# Altium PCB LimeSDR-QPCIe_1v2.PcbDoc (part 1 of 21) (continued)
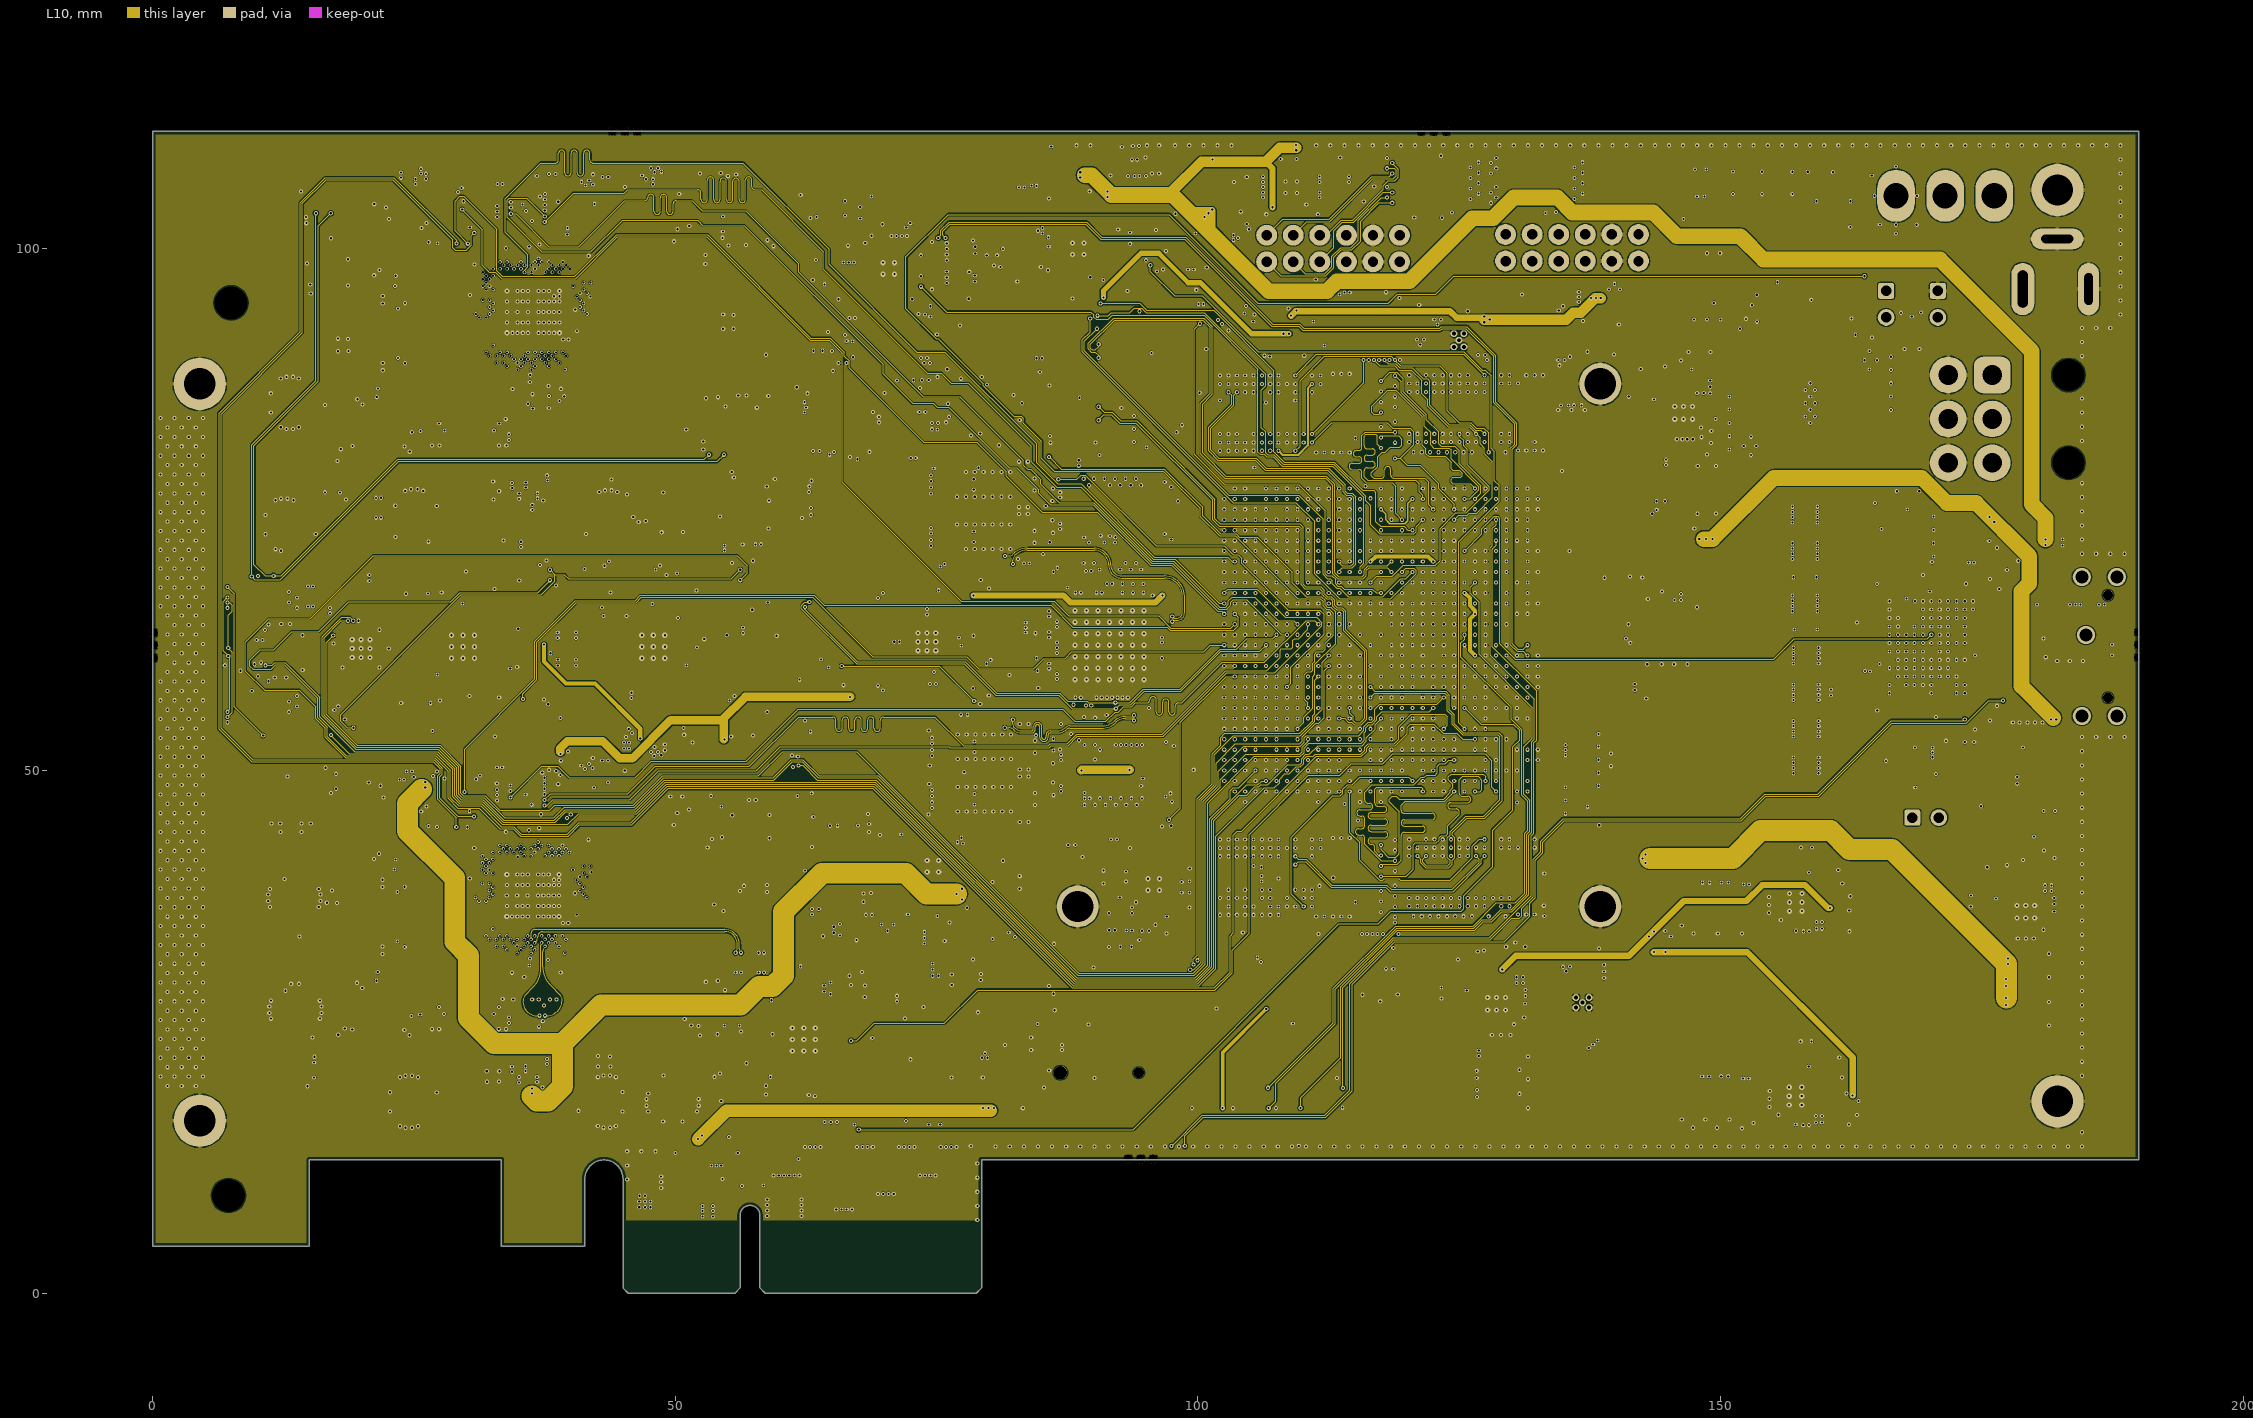
[diagram p10: L10]
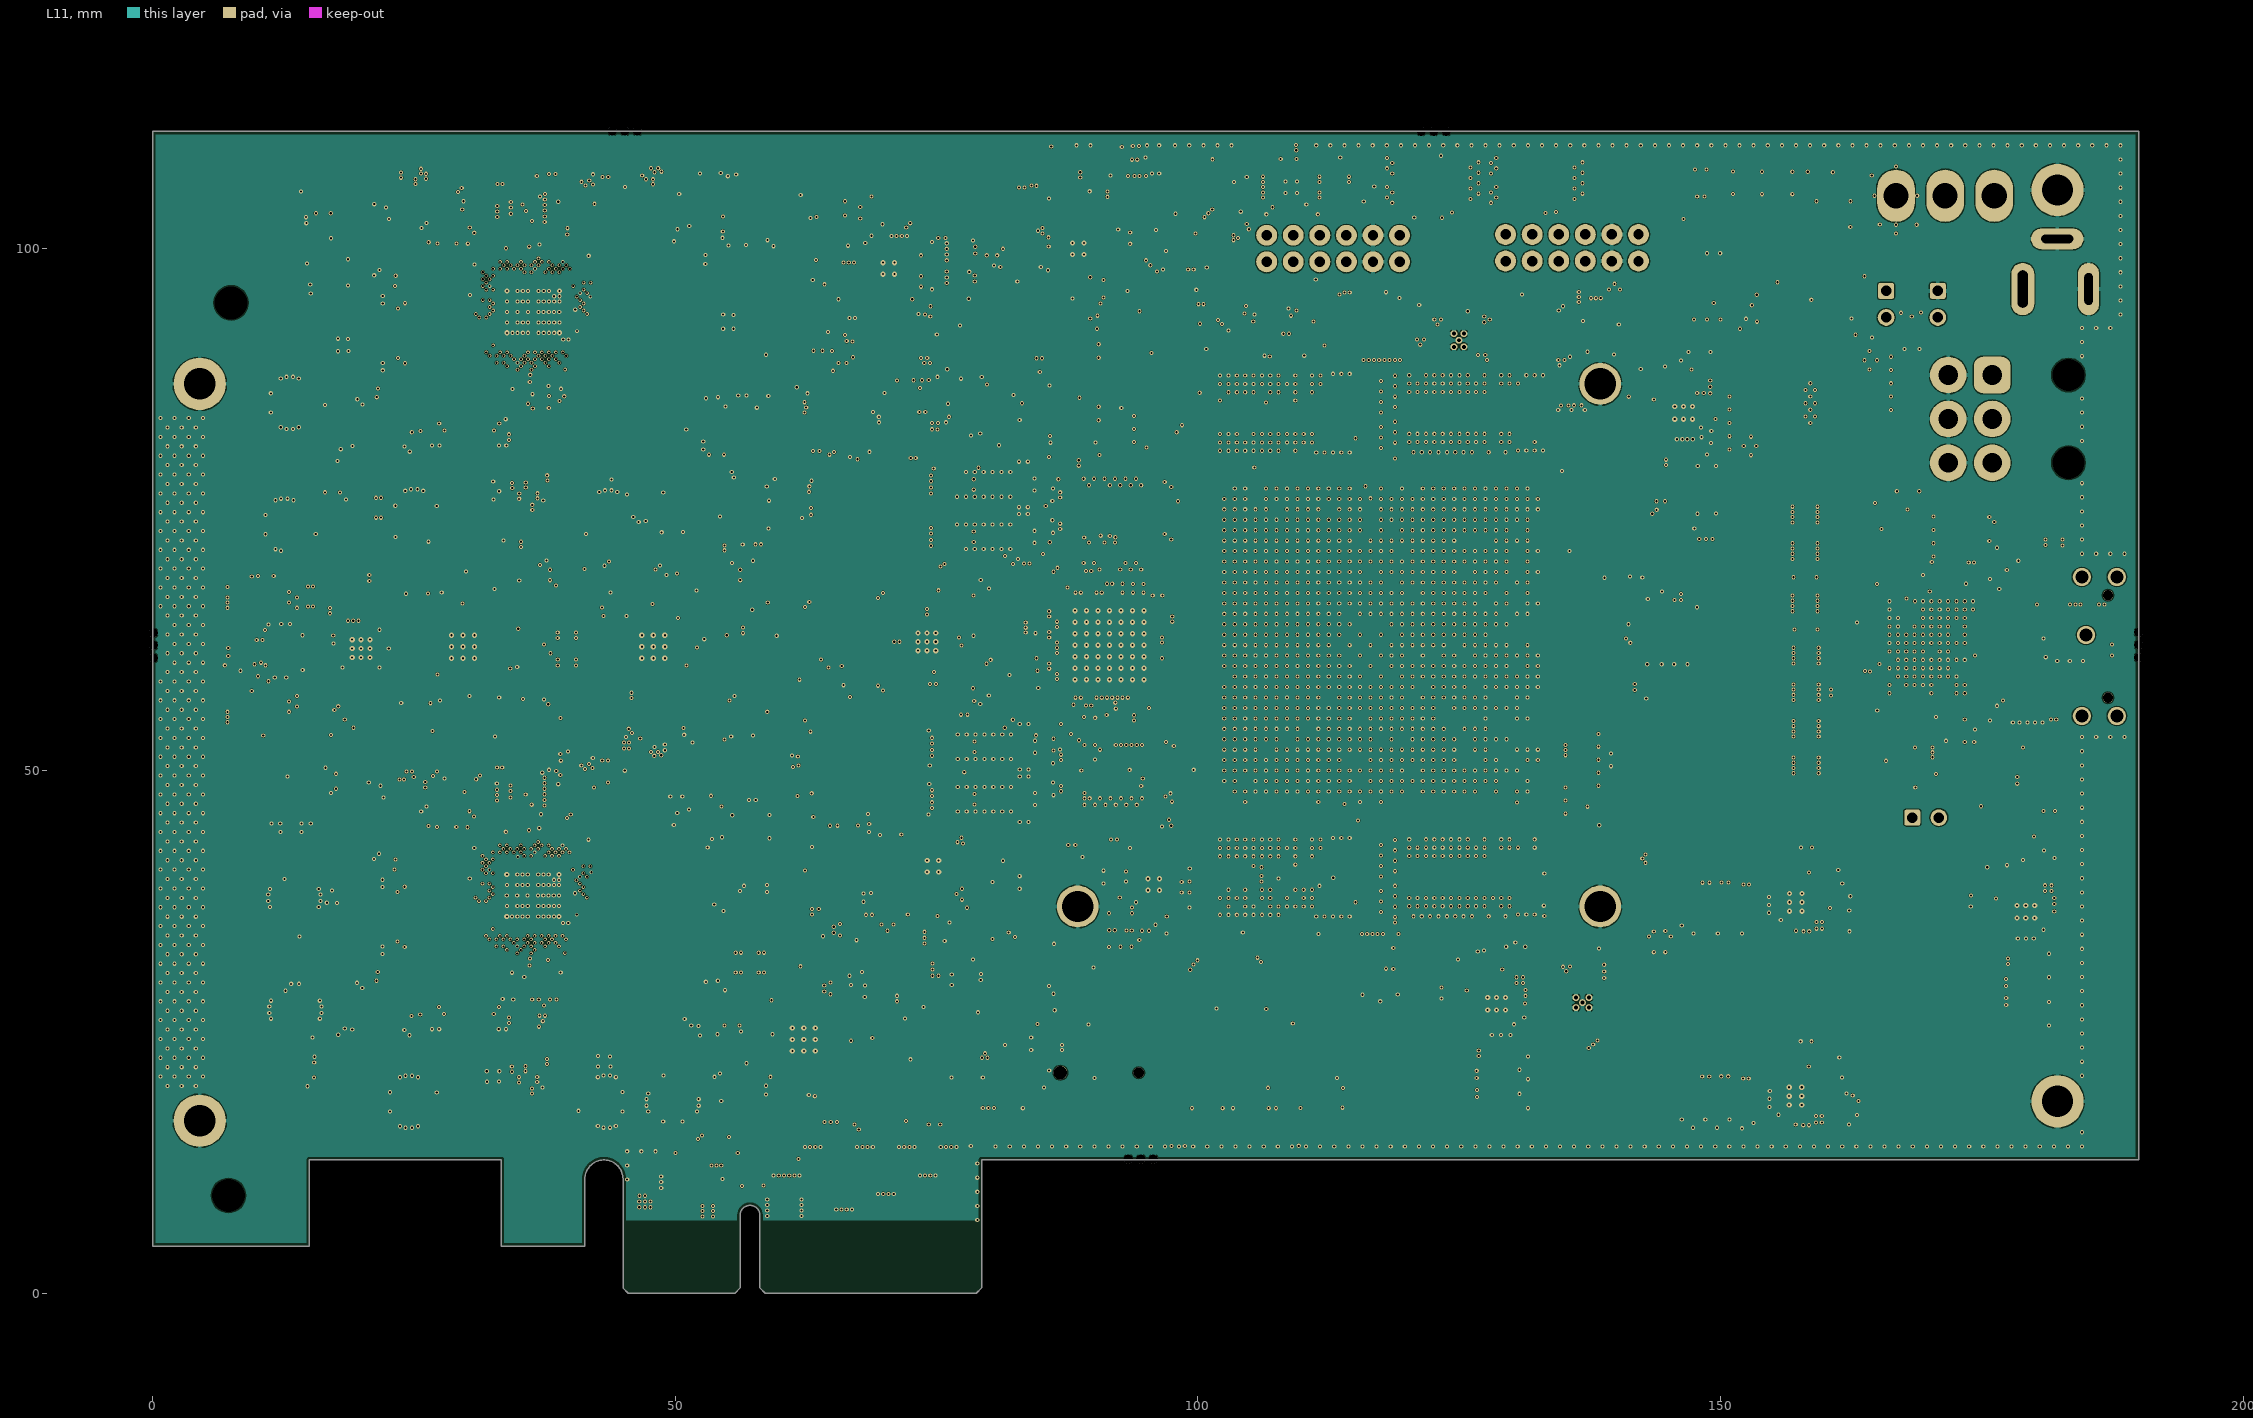
[diagram p11: L11]
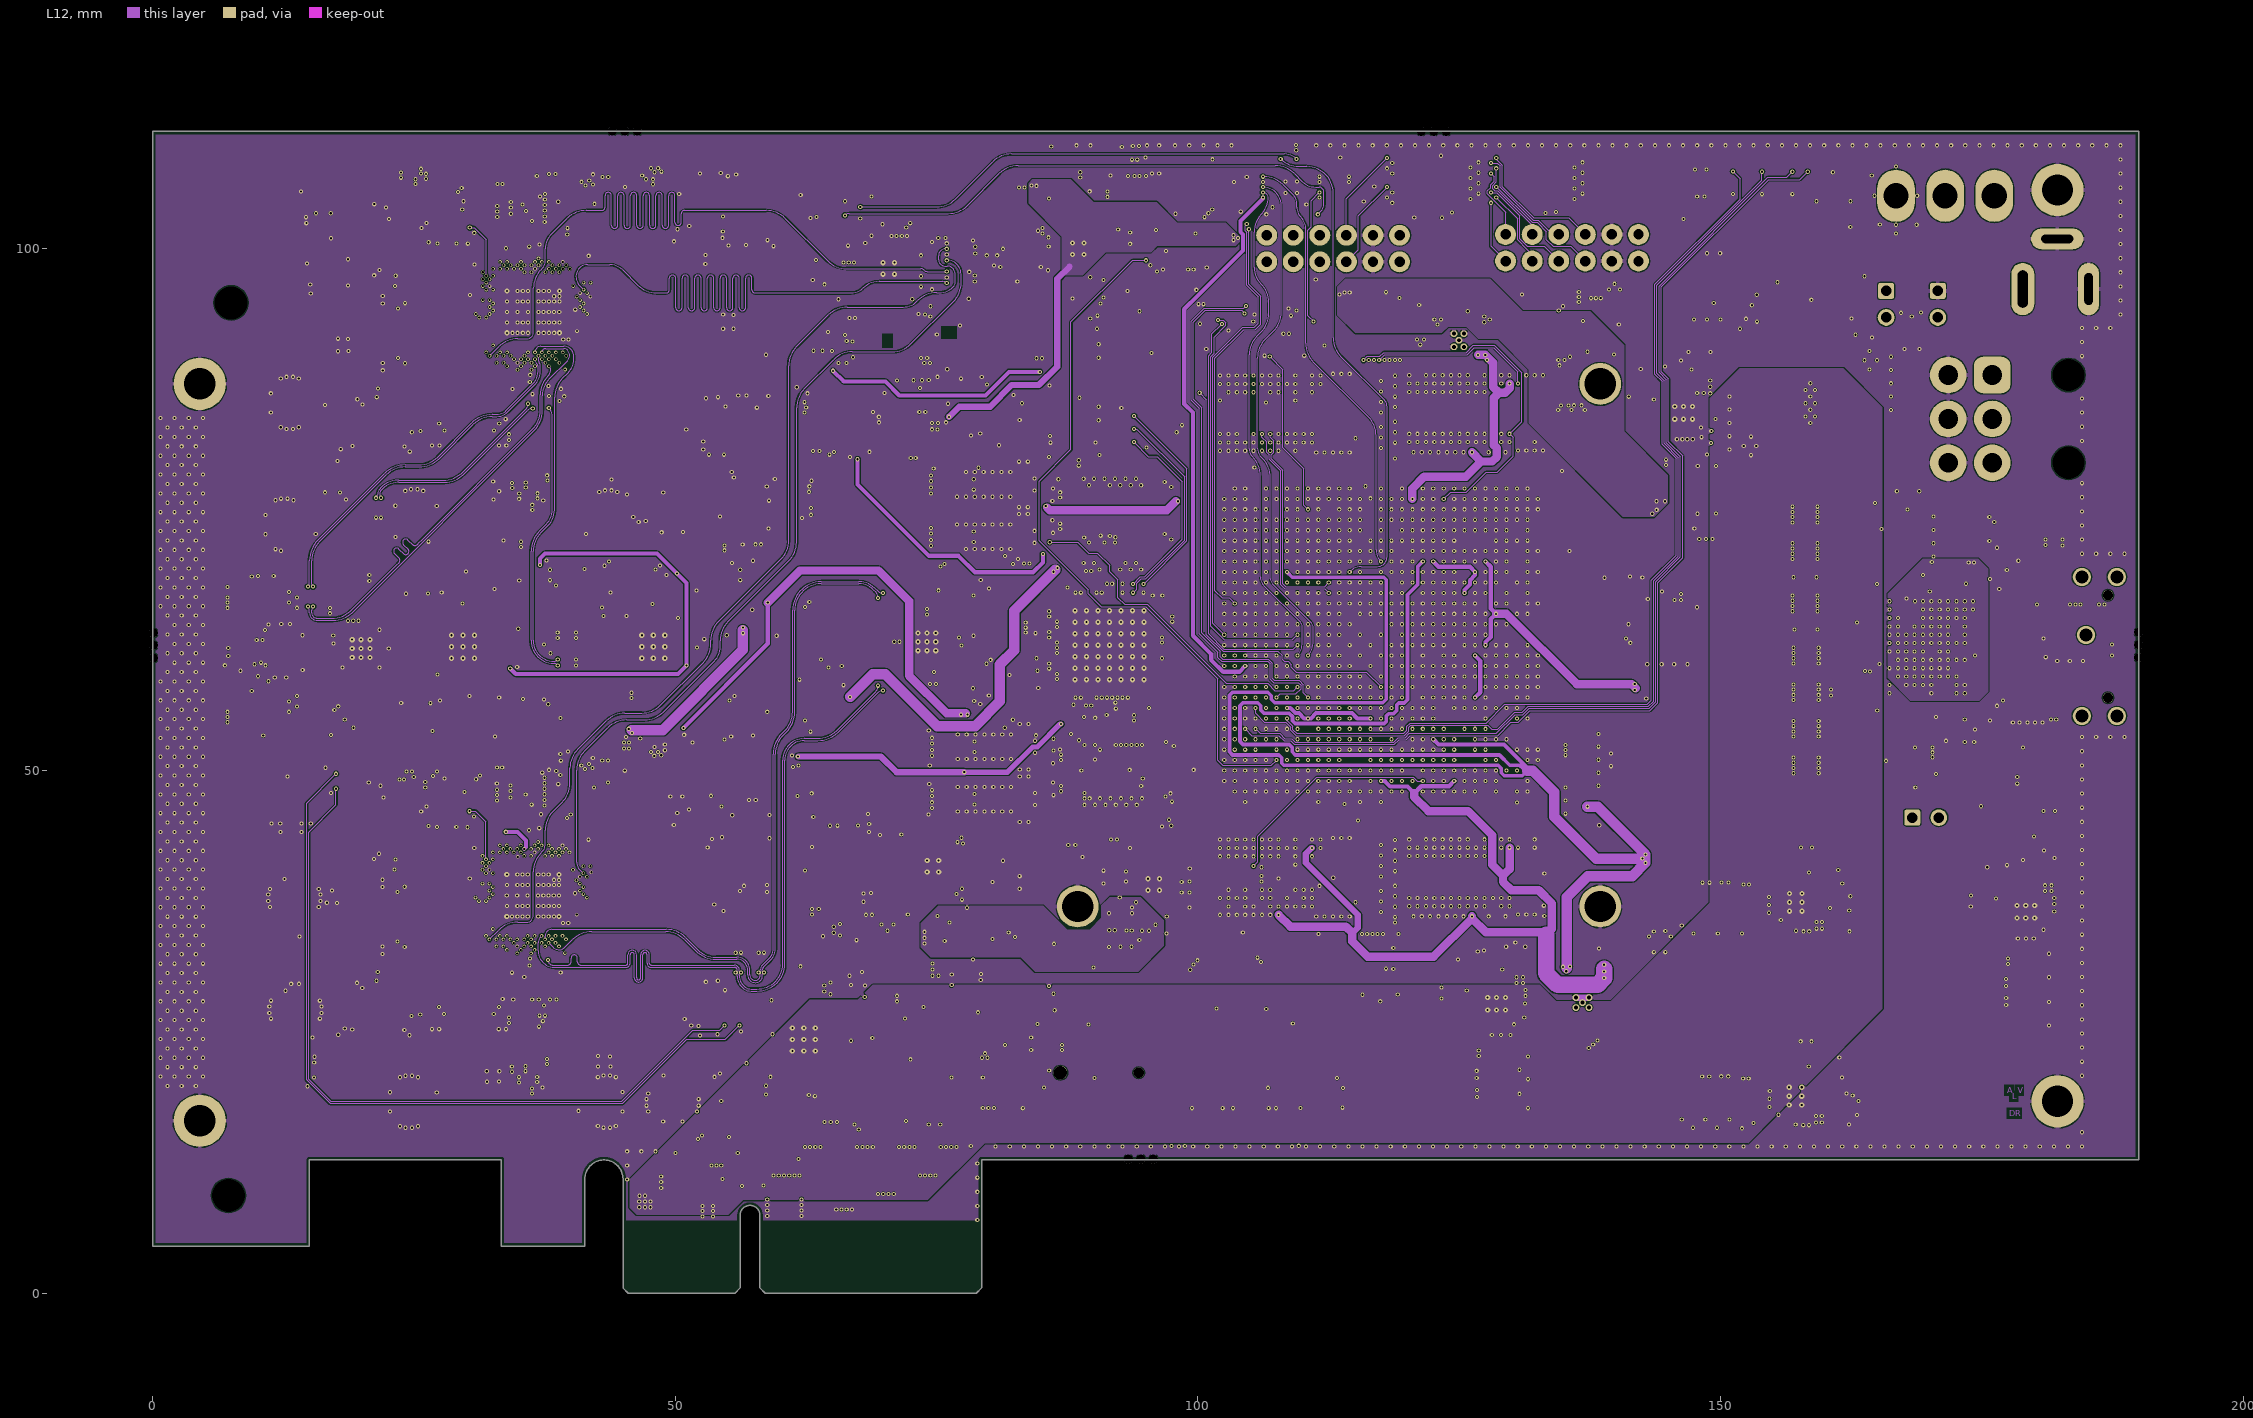
[diagram p12: L12]
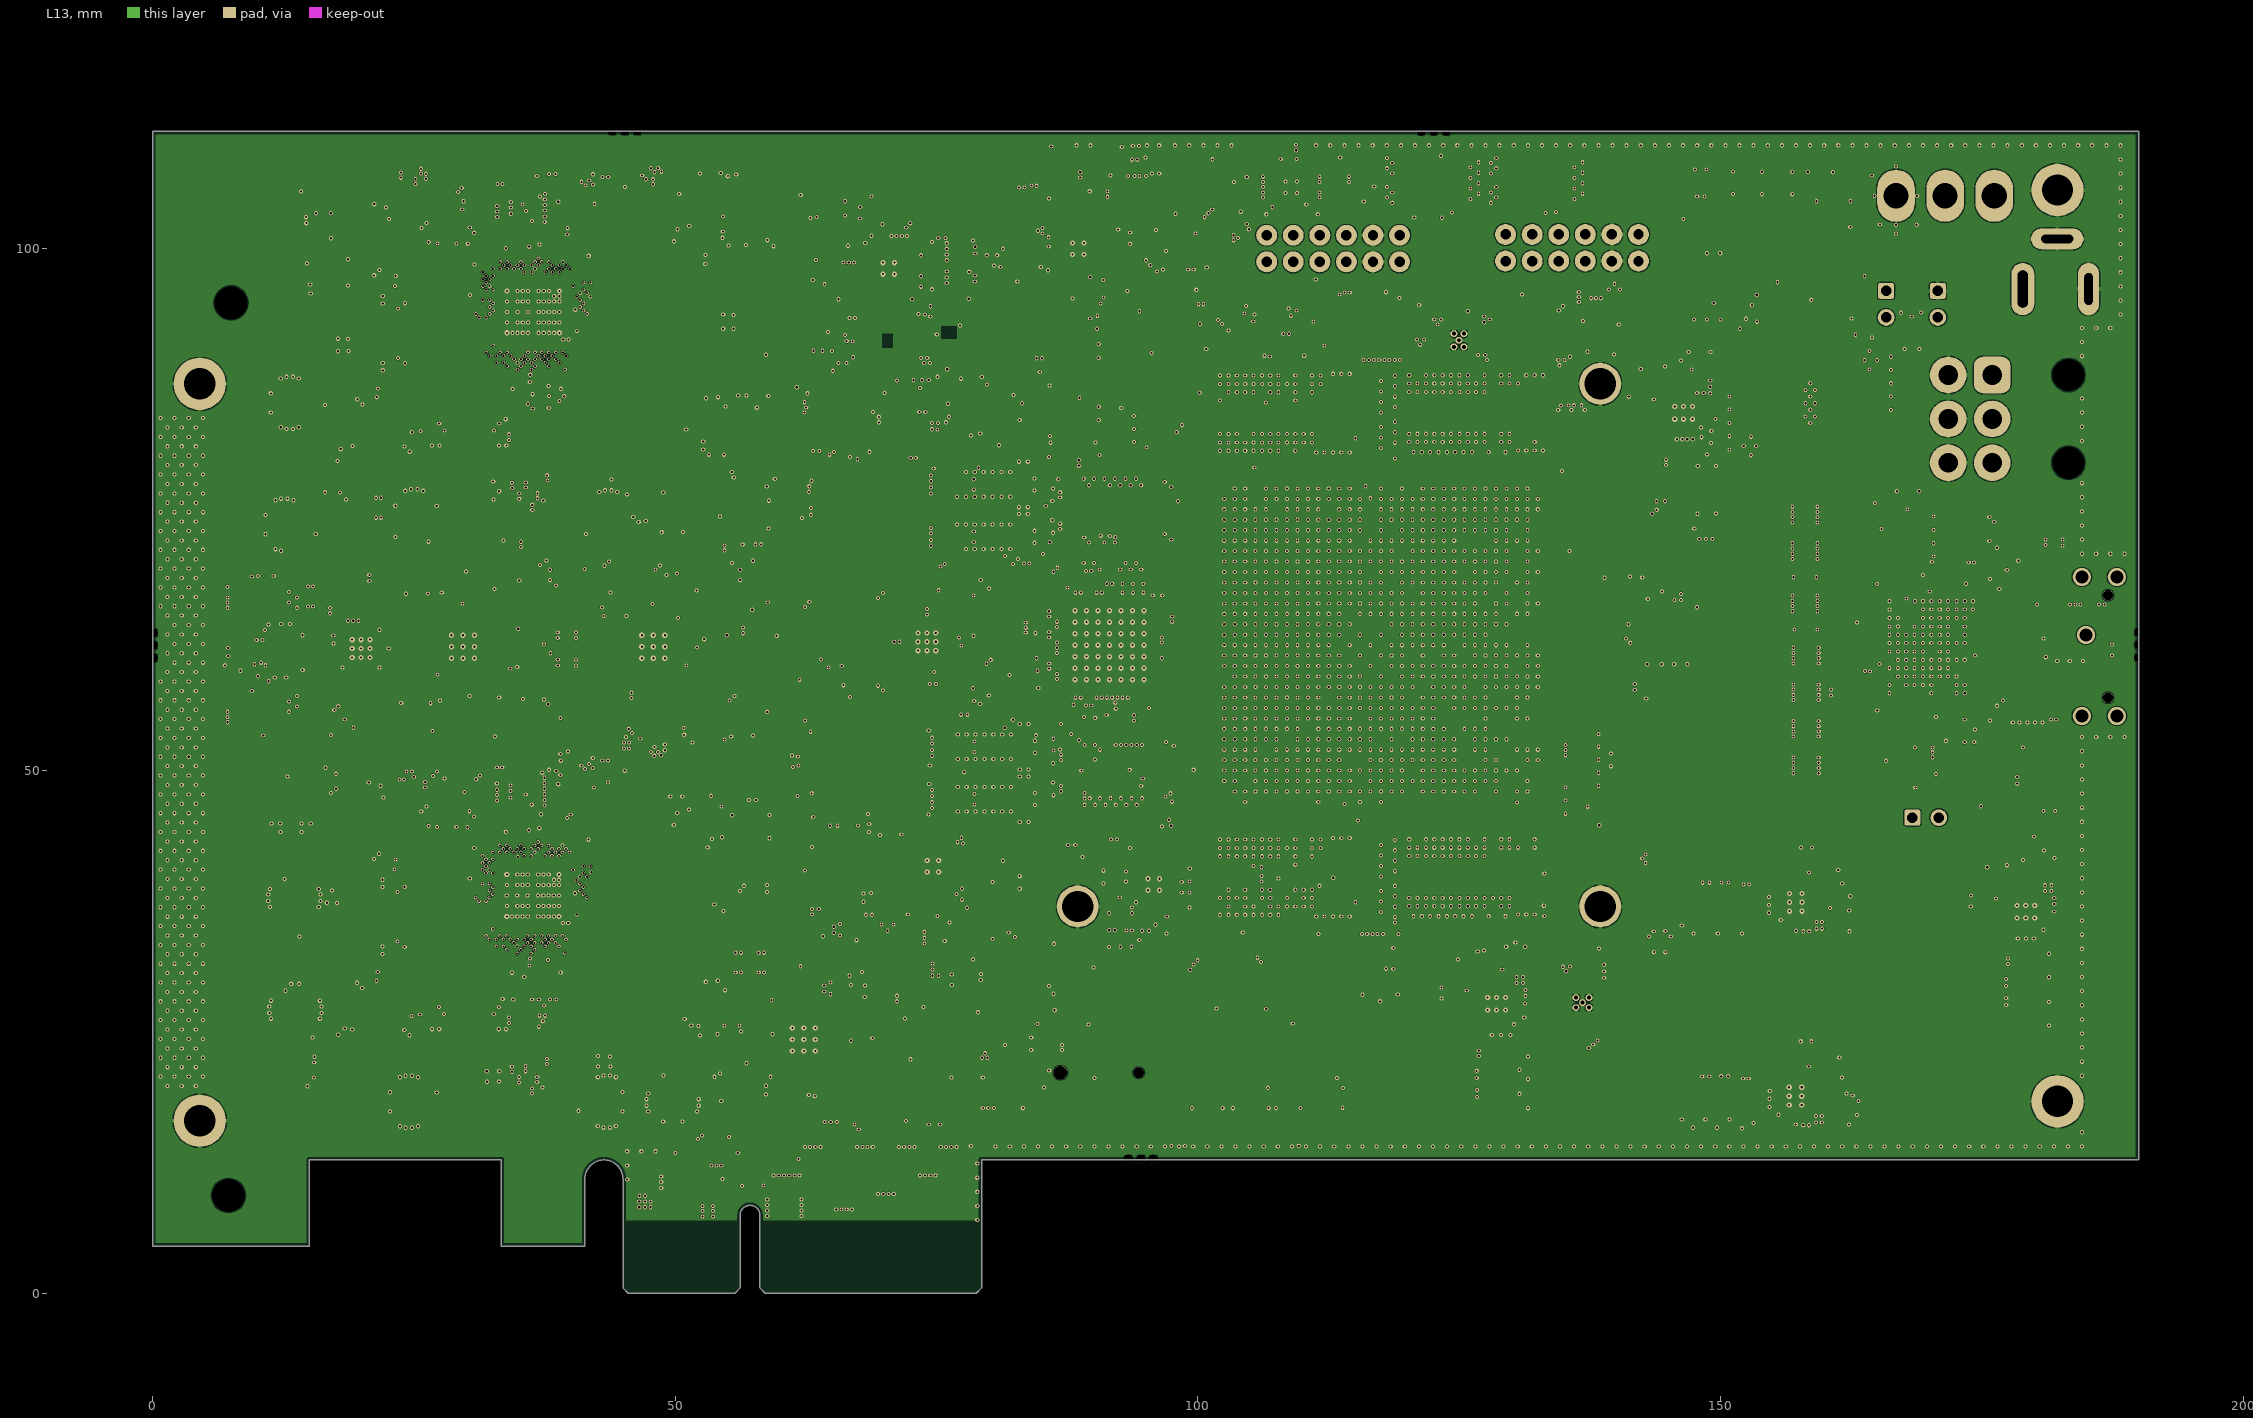
[diagram p13: L13]
